# Altium PCB Wacky_Car.PcbDoc (part 2 of 2)
Units mm, origin at the board's own origin, x right, y up, seen from the top; angles counter-clockwise.
Board outline 64 x 85 mm, 4 copper layers (Top Layer, Ground Plane, Power Plane, Bottom Layer), stack 0.844 mm thick; 136 components, 91 nets, 411 pads, 109 vias.
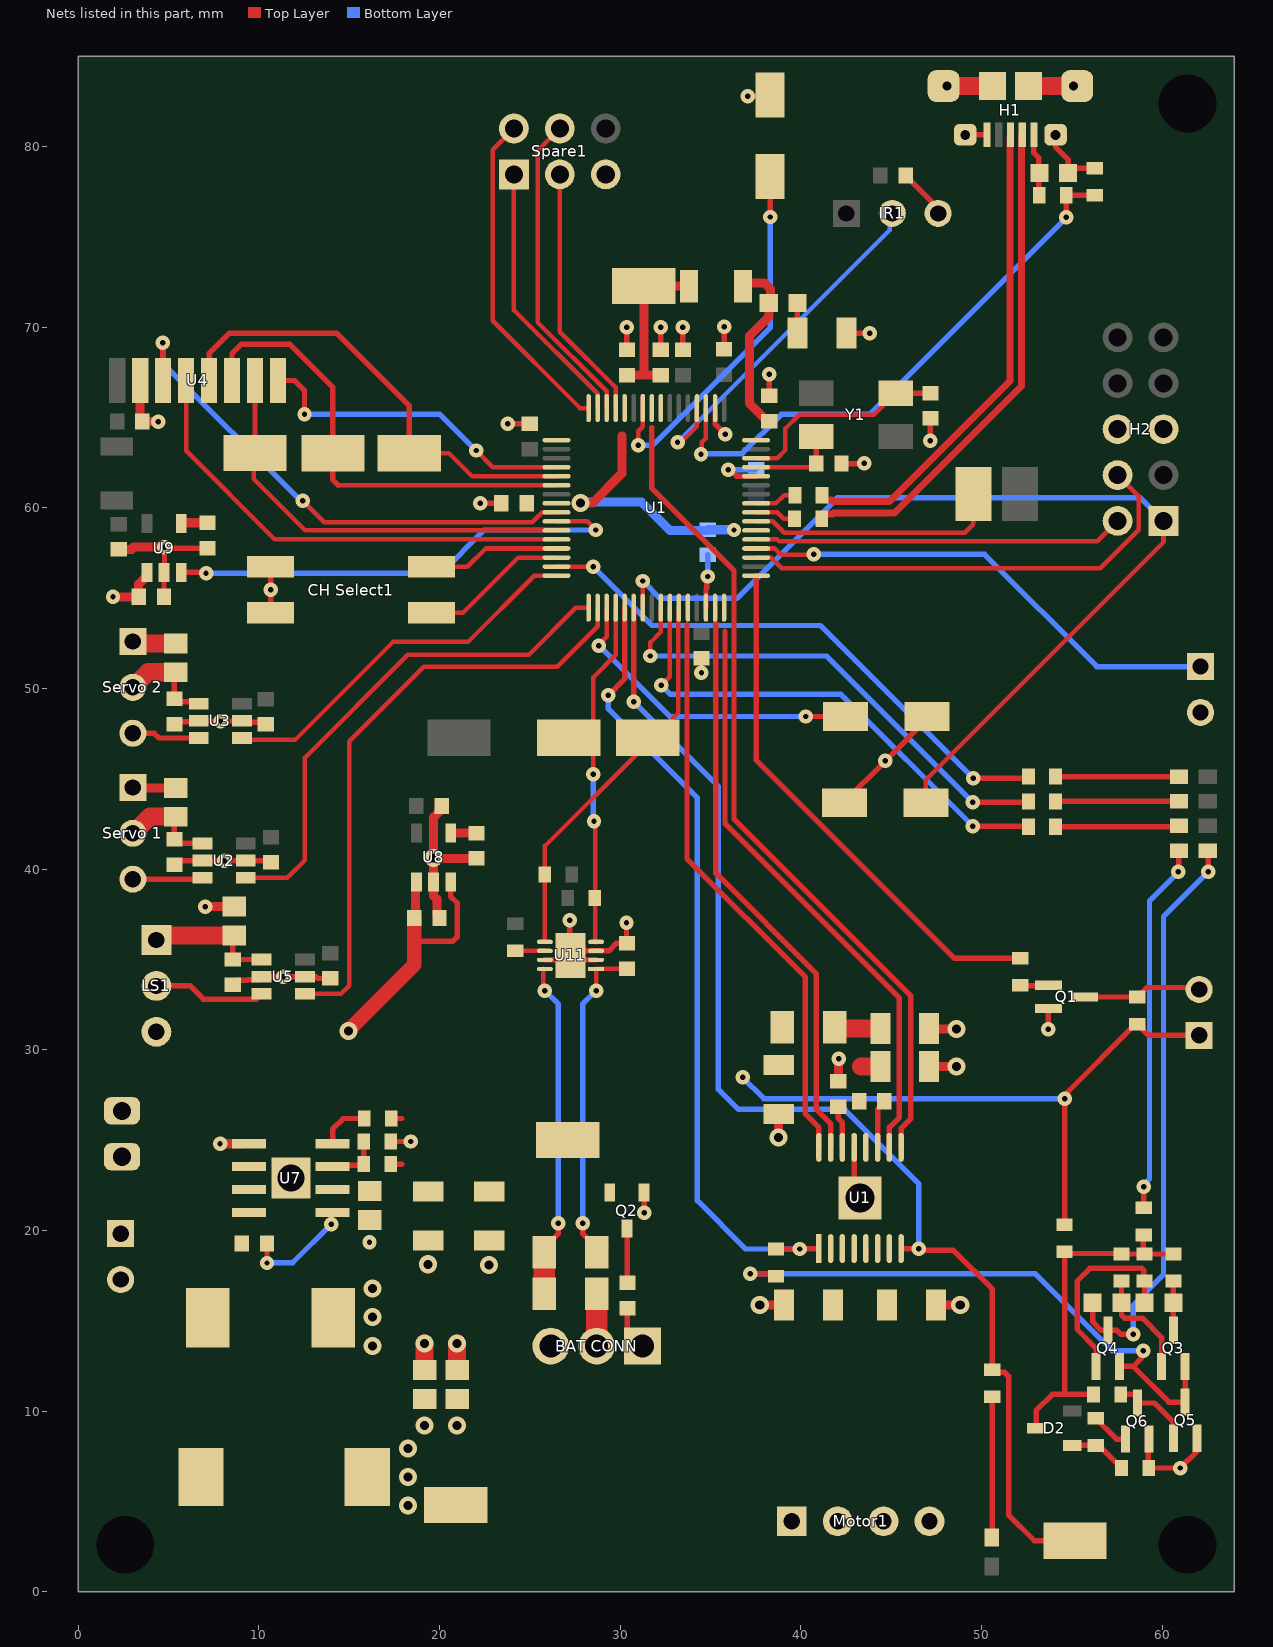
[diagram p4: the nets of this part, all layers, seen from the top]

## Via types
v1: diameter 0.8, hole 0.3, Top Layer to Bottom Layer, 86 vias
v2: diameter 1, hole 0.5, Top Layer to Bottom Layer, 21 vias
v3: diameter 2, hole 1.5, Top Layer to Bottom Layer, 1 vias
v4: diameter 2.2, hole 1.6, Top Layer to Bottom Layer, 1 vias

## Nets (pads, with @x,y where several pads share a name; then routed paths per layer and width w, separated by ;. In a path a pad name is that pad's centre, name@x,y a point inside that pad or via, vN(x,y) a via of type N, cw(c..) or ccw(c..) an arc to the next point about the centre after c; other vN are vias at no path point) (continued)
5V: 5V.1@20.9,4.8 5V.2 "Servo 1.2" "Servo 2.2" C5.2@5.4,50.9 C6.2@5.325,49.425 C8.2@5.4,42.9 C9.2@8.55,35 C13.2@8.625,36.325 C14.2@5.325,41.65 C37.2 C42.2 C43.2 C44.2 L5.2 LS1.1 U2.1 U3.1 U5.1 U7.5 U8.1 U8.3 U9.1 | length 38.9
  Top Layer w0.3: C6.2@5.325,49.425 5.325,50.825 C5.2@5.4,50.9 ; C6.2@5.375,49.41 5.51,49.275 6.56,49.275 U3.1@6.675,49.16 ; C8.2@5.4,42.9 5.325,42.825 C14.2@5.325,41.65 C14.2@5.4,41.575 ; C14.2@5.425,41.6 C14.2@5.4,41.575 ; U2.1@6.7,41.6 U2.1@6.875,41.425 5.55,41.425 C14.2@5.4,41.575 ; 8.55,35.75 C9.2@8.55,35 U5.1@10.15,35 ; 18.6,36 20.725,36 20.975,36.25 20.975,38.141 20.621,38.496 U8.3@20.621,39.3
  Top Layer w0.5: v1(1.925,55.075) C44.2@3.35,55.075 3.35,55.775 3.725,56.15 3.75,56.15 3.8,56.2 U9.1@3.8,56.425 ; LS1.1@4.325,36.075 LS1.1@4.5,35.9 ; v1(7.85,24.8) U7.5@9,24.8 ; U7.5@9,24.801 9.004,24.805 U7.5@9.464,24.805 ; 18.6,34.7 18.725,34.825 ; C37.2@18.6,37.3 18.671,37.371 18.671,39.25 U8.1@18.721,39.3
  Top Layer w0.8: v2(14.95,31.05) 18.6,34.7 18.6,36 C37.2@18.6,37.3
  Top Layer w1: 3.025,41.985 3.965,42.925 5.375,42.925 C8.2@5.4,42.9 ; 3.025,50.065 3.86,50.9 C5.2@5.4,50.9 ; LS1.1@4.325,36.075 4.575,36.325 C13.2@8.625,36.325
  other v2: 18.25,4.775 18.25,6.35 18.25,7.925 19.175,9.2 20.975,9.2
AIN1: U1.16@41,24.6 U1.44 | length 31.9
  Top Layer w0.3: 33.7,53.519 33.7,52.282 33.7,40.568 40.25,34.018 40.25,26.45 41,25.7 U1.16@41,24.6
AIN2: U1.15@41.65,24.6 U1.47 | length 31.7
  Top Layer w0.3: 35.3,53.62 35.3,52.53 35.3,39.775 40.85,34.225 40.85,26.718 41.65,25.918 U1.15@41.65,24.6
AOUT1: Motor1.1 U1.2@41.65,19
AOUT2: Motor1.2 U1.4@42.95,19
BIN1: U1.9 | length 46
  Top Layer w0.3: 31.75,64.425 31.75,61.075 36.3,56.525 36.3,42.775 46.075,33 46.075,26.175 45.55,25.65 U1.9@45.55,24.6
BIN2: U1.10@44.9,24.6 U1.48 | length 32.8
  Top Layer w0.3: 35.8,53.175 35.8,42.525 45.45,32.875 45.45,26.257 44.9,25.707 U1.10@44.9,24.6
BOUT1: Motor1.4 U1.7@44.9,19
BOUT2: Motor1.3 U1.5@43.6,19 | length 0.6
  Top Layer w0.3: U1.5@43.6,18.4 U1.5@43.6,19
BST: C31.2 U7.1 | length 6.2
  Top Layer w0.3: v1(10.45,18.2) C31.2@10.45,19.275 ; v1(14,20.341) 14,20.909 U7.1@14.086,20.995
  Bottom Layer w0.3: v1(10.45,18.2) 10.466,18.216 11.875,18.216 v1(14,20.341)
BUMPER_SIGNAL: Bumper1.1 U1.52 | length 27.3
  Top Layer w0.25: U1.52@37.525,57.75 38.56,57.75 38.91,57.4 40.7,57.4 v1(40.725,57.425)
  Bottom Layer w0.3: v1(40.725,57.425) 50.175,57.425 56.385,51.215 Bumper1.1@62.125,51.215
CH1: "CH Select1.4" U1.29 | length 7.3
  Top Layer w0.25: 19.55,56.74 21.54,56.74 22.55,57.75 U1.29@26.475,57.75
CH2: "CH Select1.3" U1.30 | length 8.2
  Top Layer w0.25: 19.55,54.2 21.3,54.2 24.35,57.25 U1.30@26.475,57.25
CS: U1.28 U4.4 | length 26.4
  Top Layer w0.25: U4.4@5.971,67.05 5.971,63.154 10.875,58.25 U1.28@26.475,58.25
D_N: H1.2 R2.1@41.15,59.4 | length 28
  Top Layer w0.381: R2.1@41.15,59.4 41.15,59.5 41.31,59.659 41.743,59.659 41.797,59.714 45.18,59.714 52.218,66.752 52.218,80.567 H1.2@52.225,80.575
D_P: H1.3 R1.1@41.175,60.7 | length 26.9
  Top Layer w0.381: R1.1@41.175,60.7 41.175,60.6 41.335,60.44 41.718,60.44 41.809,60.349 44.917,60.349 51.583,67.015 51.583,80.567 H1.3@51.575,80.575
ERASE: ERASE.1 U1.55 | length 14.2
  Top Layer w0.25: U1.55@37.525,59.25 38.45,59.25 39.075,58.625 49.075,58.625 49.55,59.1 ERASE.1@49.55,60.775
GG_V: C16.2 C51.1 Q2.3 SHUNT.2 U11.1 | length 21.4
  Top Layer w0.25: v1@28.666,33.284 U11.1@28.666,34.475 30.35,34.475 C51.1@30.375,34.5
  Top Layer w0.3: v1(27.925,20.4) 27.925,19.825 28.7,19.05 SHUNT.2@28.7,18.8 ; v1@28.666,33.284 v1(28.675,33.275) ; Q2.3@30.375,20.1 30.4,20.075 C16.2@30.4,17.225
  Top Layer w0.6: SHUNT.2@28.7,18.8 SHUNT.2@29.05,19.15
  Bottom Layer w0.3: v1(27.925,20.4) 27.925,32.525 v1(28.675,33.275)
GND: 5V.1@2.35,19.825 "BAT CONN.1" "BAT CONN.3" "CH Select1.1" "CH Select1.2" "Servo 1.1" "Servo 2.1" Bumper1.2 C1.1@33.475,68.75 C1.2@47.1,31.175 C2.2 C3.1@25,64.65 C4.1@42.075,28.25 C4.2@30.375,68.75 C5.1 C6.1@5.325,48.025 C6.2@23.425,60.25 C7.1 C8.1@5.4,44.5 C8.2@34.85,57.4 C9.1 C10.1 C11.1 C12.1@45.8,78.4 C13.1 C14.1 C15.1 C16.1 C33.1 C34.1 C35.1 C36.1 C37.1 C38.1 C39.1 C42.1 C43.1 C44.1 C45.1 C46.1 C51.2 D1.1 GND.1 GND.2 H1.5 H1.6 H2.5 H2.6 IR1.3 LS1.3 Q1.2 Q2.1 Q5.2 Q6.2 R3.1@42.525,69.675 R4.1@47.475,15.875 R5.1 R16.1 R27.1 RMT_CTL.1 RST.1 SLEEP.1 Spare1.5 U1.2@35.25,65.525 U1.13@42.95,24.6 U1.17 U1.46 U1.60 U2.2 U2.5 U3.2 U3.5 U4.2 U5.2 U5.5 U7.6 U7.7 U7.EPAD U8.2 U9.2 U11.2 U11.3 U11.7 U11.9 | length 120.9
  Top Layer w0.3: C11.1@3.429,64.896 C11.1@3.55,64.775 ; C44.1@4.75,55.075 4.75,55.65 U9.2@4.75,56.425 4.775,56.45 v1(4.775,57.825) 4.825,57.775 C46.1@7.154,57.775 ; C14.1@5.325,40.25 5.55,40.475 v1(8.075,40.475) U2.5@9.275,40.475 10.575,40.475 C10.1@10.675,40.375 ; C6.1@5.375,48.01 5.515,48.15 6.615,48.15 U3.2@6.675,48.21 6.685,48.2 v1(7.875,48.2) 9.065,48.2 U3.5@9.075,48.21 9.16,48.125 10.26,48.125 C7.1@10.375,48.01 ; C5.1@5.524,52.889 C5.1@5.539,52.875 ; C9.1@8.55,33.6 8.8,33.85 9.35,33.85 9.375,33.875 9.975,33.875 U5.2@10.15,34.05 v1(11.35,34.05) 13.15,34.05 13.25,33.95 C15.1@13.95,33.95 ; 10.65,54.2 v1(10.65,55.475) 10.65,56.74 ; R16.1@17.3,24.925 v1(18.4,24.925) ; v2(19.671,40.625) v2@19.696,40.6 ; C38.1@20.121,43.325 C38.1@20.121,43.5 ; C39.1@22.021,40.625 C39.1@22.046,40.6 ; v1(22.25,60.25) C6.2@23.425,60.25 ; v1(23.775,64.65) C3.1@25,64.65 ; U11.7@25.834,34.975 U11.2@28.666,34.975 ; v1(27.2,37.175) 27.2,35.275 U11.9@27.25,35.225 ; U11.9@27.965,35.45 27.965,35.475 U11.3@28.666,35.475 29.375,35.475 29.8,35.9 C51.2@30.375,35.9 30.35,35.925 v1(30.35,37.025) ; C4.2@30.375,68.75 v1(30.375,70) ; C16.1@30.4,15.3 30.4,14.44 31.24,13.6 ; v1(31.325,20.975) Q2.1@31.325,22.1 ; C2.2@32.25,68.75 v1(32.25,70) ; C1.1@33.475,68.75 v1(33.475,70) ; v1(34.5,50.875) C5.1@34.5,51.675 ; U1.46@34.75,54.475 34.75,55.51 34.79,55.55 34.79,56.14 v1(34.85,56.2) ; U1.2@35.25,65.525 35.25,64.65 v1(35.825,64.075) ; C10.1@35.75,68.775 v1(35.75,70.025) ; v1(35.975,62.1) 36.11,62.1 36.46,61.75 U1.60@37.525,61.75 ; v1(37.05,82.775) 38.225,82.775 RMT_CTL.1@38.3,82.85 ; C13.1@38.25,66.2 v1(38.25,67.4) ; C11.1@42.25,62.45 43.475,62.45 v1(43.5,62.475) ; RST.1@42.425,43.675 42.425,43.75 v1(44.675,46) 46.975,48.3 SLEEP.1@46.975,48.45 ; R3.1@42.525,69.675 v1(43.825,69.675) ; U1.13@42.95,24.6 42.95,22.125 v4(43.275,21.8) ; C12.1@45.8,78.4 47.6,76.6 IR1.3@47.6,76.3 ; v1(47.175,63.725) C9.1@47.175,64.95 ; H1.6@49.1,80.65 H1.5@50.3,80.65 ; v1(53.7,31.15) Q1.2@53.7,32.275 ; H1.6@54.1,80.65 54.1,79.975 54.8,79.275 C14.1@54.8,78.525 55.075,78.8 R5.1@56.275,78.8 ; Q6.2@59.275,8.45 59.225,8.4 59.225,6.875 R27.1@59.25,6.85 v1(61,6.85) 61.925,7.775 Q5.2@61.925,8.5
  Top Layer w0.5: C45.1@2.25,57.7 2.95,57.7 3.075,57.825 v1(4.775,57.825) ; 3.025,44.525 3.05,44.5 C8.1@5.4,44.5 ; C11.1@3.429,64.896 U4.2@3.429,67.05 ; C11.1@3.55,64.775 v1(4.425,64.775) ; v1(7.025,37.925) C13.1@8.625,37.925 ; D1.1@14.125,15.175 D1.1@14.15,15.2 ; C36.1@16.125,20.55 C36.1@16.15,20.575 ; v2@19.696,40.6 C39.1@22.046,40.6 ; C37.1@20,37.3 19.85,37.45 19.85,38.346 19.671,38.525 U8.2@19.671,39.3 v2(19.671,40.625) 19.671,42.875 19.971,43.175 19.971,43.3 19.996,43.325 C38.1@20.121,43.325 ; v2@37.675,15.875 v2(37.725,15.875) R5.1@39.025,15.875 ; v2(38.775,25.15) C35.1@38.775,26.45 ; C4.1@42.075,28.25 42.088,28.262 42.088,29.488 v1(42.1,29.5) ; C2.2@47.1,29.075 v2(48.625,29.075) ; C1.2@47.1,31.175 47.125,31.15 v2(48.625,31.15) ; R4.1@47.475,15.875 v2(48.825,15.875)
  Top Layer w1: 3.025,52.605 3.13,52.5 C5.1@5.4,52.5 ; C43.1@19.174,12.275 v2(19.175,13.75) ; C42.1@20.975,12.275 v2(20.975,13.75) ; H1.6@48.1,83.35 H1.6@50.6,83.35 ; H1.6@52.6,83.35 H1.6@55.1,83.35
  Bottom Layer w0.3: v1(34.85,56.2) C8.2@34.85,57.4 ; v1(35.975,62.1) 37.475,62.1 C7.1@37.525,62.15
  other v1: 16.125,19.35
  other v2: 16.3,13.6 16.3,15.2 16.3,16.8 22.75,18.1 19.352,18.129
  other v3: 11.775,22.9
"IR SIG": IR1.2 U1.4@34.25,65.525 | length 20.1
  Top Layer w0.25: v1(33.175,63.625) 33.28,63.73 33.48,63.73 34.25,64.5 U1.4@34.25,65.525
  Bottom Layer w0.25: v1(33.175,63.625) 44.91,75.36 44.91,76.15 IR1.2@45.06,76.3
LED_STRIP: U1.34 U5.4 | length 33.6
  Top Layer w0.25: U5.4@12.55,33.1 14.55,33.1 15,33.55 15,47.075 19.125,51.2 26.51,51.2 28.75,53.44 U1.34@28.75,54.475
"LOW BAT LED": "LOW BAT.1" C49.2 Q4.3 | length 32.1
  Top Layer w0.3: C49.2@56.15,16 56.15,14.95 56.625,14.475 Q4.3@57,14.475 57.5,14.475 57.725,14.25 v1(58.4,14.25) ; 62.525,41.025 62.55,41 v1(62.55,39.85)
  Bottom Layer w0.3: v1(58.4,14.25) 58.4,15.875 60.075,17.55 60.075,37.375 v1(62.55,39.85)
MISO: MISO.1 U1.27 U4.7 | length 23.4
  Top Layer w0.25: MISO.1@9.725,62.975 9.725,61.6 12.575,58.75 U1.27@26.475,58.75
  Top Layer w0.3: MISO.1@9.725,62.975 MISO.1@9.786,63.036 U4.7@9.786,67.05
MOSI: MOSI.1 U1.22 U4.6 | length 25.9
  Top Layer w0.25: 14.4,61.25 U1.22@26.475,61.25
  Top Layer w0.3: U4.6@8.514,67.05 8.514,68.55 9.014,69.05 11.725,69.05 14.1,66.675 MOSI.1@14.1,63.025 14.1,61.55 14.4,61.25
NetBuzzer1_2: Buzzer1.2 Q1.3 R1.1@58.625,32.925 | length 6.6
  Top Layer w0.3: Q1.3@55.7,32.925 R1.1@58.625,32.925 59.152,33.452 61.938,33.452 Buzzer1.2@62.05,33.34
NetC1_1: "F1 2A.2" C1.1@44.4,31.175 C2.1@44.4,29.075 C3.2@43.225,27.15 U1.12@43.6,24.6 | length 3.3
  Top Layer w1: 42.15,31.25 42.225,31.175 43.237,31.175 C1.1@44.4,31.175 ; 43.337,29.075 C2.1@44.4,29.075
NetC3_1: C3.1@44.625,27.15 U1.11@44.25,24.6 | length 2.4
  Top Layer w0.3: U1.11@44.25,24.9 44.25,26.725 44.625,27.1 C3.1@44.625,27.15
NetC4_2: C4.2@42.075,26.85 U1.14@42.3,24.6 | length 2.6
  Top Layer w0.3: C4.2@42.075,27.1 42.075,26.2 42.3,25.975 U1.14@42.3,24.6
NetC12_1: C12.1@39.825,71.35 R3.2@39.825,69.675 | length 1.7
  Top Layer w0.3: R3.2@39.825,69.675 39.8,69.7 39.8,71.325 C12.1@39.825,71.35
NetC39_2: C39.2 U8.4 | length 1.4
  Top Layer w0.5: U8.4@20.621,42 C39.2@22.046,42
NetC46_2: C46.2 U9.4 | length 1.5
  Top Layer w0.5: U9.4@5.7,59.125 5.75,59.175 C46.2@7.154,59.175
NetC48_1: C48.1 Q3.3 R21.1 | length 2.7
  Top Layer w0.3: Q3.3@60.625,14.475 R21.1@60.625,17.2
NetC48_2: C48.2 Q4.1 R22.1 | length 11
  Top Layer w0.3: Q4.1@56.35,12.475 56.35,13.475 55.3,14.525 55.3,17.2 56,17.9 58.875,17.9 58.975,17.8 58.975,17.25 R22.1@59.025,17.2 C48.2@59.025,16
NetC49_1: C49.1 Q3.1 R23.1 | length 6.2
  Top Layer w0.3: R23.1@57.75,17.2 57.75,16.75 57.75,15.326 57.926,15.15 58.9,15.15 59.975,14.075 Q3.1@59.975,12.475
NetD2_1: D2.1 R26.2 R27.2 | length 3.2
  Top Layer w0.3: D2.1@55.025,8.1 R26.2@56.325,8.1 56.5,8.1 R27.2@57.75,6.85
NetD2_3: D2.3 R17.1 R19.2 R21.2 R22.2 R23.2 R25.2 | length 19.6
  Top Layer w0.3: D2.3@53.025,9.05 53.025,10.025 53.925,10.925 54.6,10.925 ; R17.1@54.625,18.825 R17.1@54.625,19 ; R25.2@56.2,10.925 54.6,10.925 ; R19.2@58.975,19.75 58.95,19.725 58.95,18.775 R22.2@59.025,18.7 ; R21.2@60.625,18.7 R22.2@59.025,18.7 ; 54.6,10.925 54.6,18.725 57.725,18.725 R23.2@57.75,18.7 R22.2@59.025,18.7
NetDL1_1: "H Fault.1" R3.1@50.6,10.8 | length 7.8
  Top Layer w0.3: 50.575,3 50.6,3.025 R3.1@50.6,10.8
NetF2_1: "BAT CONN.2" "F2 5A.1" | length 2.9
  Top Layer w1.2: 28.7,13.6 28.7,16.5
"NetLOW BAT_2": "LOW BAT.2" R19.1 | length 20.6
  Top Layer w0.3: R19.1@58.975,21.25 v1(58.975,22.425) ; v1(60.9,39.85) 60.925,39.875 60.925,41.025
  Bottom Layer w0.3: v1(58.975,22.425) 58.975,22.526 59.3,22.851 59.3,38.25 v1(60.9,39.85)
NetLS1_2: LS1.2 U5.3 | length 6.3
  Top Layer w0.3: LS1.2@4.325,33.535 4.34,33.55 6.175,33.55 6.925,32.8 9.85,32.8 U5.3@10.15,33.1
NetQ1_1: Q1.1 R2.2@52.15,33.575 | length 1.5
  Top Layer w0.3: R2.2@52.175,33.55 53.675,33.55 Q1.1@53.7,33.575
NetQ3_2: Q3.2 Q4.2 Q5.3 R24.2 | length 32.5
  Top Layer w0.3: v1(37.2,17.6) 38.5,17.6 R24.2@38.625,17.475 ; Q4.2@57.65,12.475 58.4,12.475 ; v1(58.95,13.35) 58.854,13.254 58.854,12.929 58.4,12.475 ; Q3.2@61.275,12.475 Q5.3@61.275,10.5 60.375,10.5 58.4,12.475
  Bottom Layer w0.3: v1(37.2,17.6) 52.978,17.6 57.228,13.35 v1(58.95,13.35)
NetQ5_1: Q5.1 Q6.3 R25.1 | length 4.7
  Top Layer w0.3: R25.1@57.7,10.925 58.525,10.925 58.625,10.825 Q6.3@58.625,10.45 59.575,10.45 60.625,9.4 Q5.1@60.625,8.5
NetQ6_1: Q6.1 R26.1 | length 2.1
  Top Layer w0.3: R26.1@56.325,9.6 57.475,8.45 Q6.1@57.975,8.45
NetR1_2: R1.2@39.675,60.7 U1.57 | length 2.3
  Top Layer w0.25: U1.57@37.525,60.25 38.625,60.25 39.075,60.7 R1.2@39.675,60.7
NetR2_2: R2.2@39.65,59.4 U1.56 | length 2.3
  Top Layer w0.25: U1.56@37.525,59.75 38.7,59.75 39.05,59.4 R2.2@39.65,59.4
NetR4_2: R4.2@44.775,15.875 U1.6@44.25,19 | length 0
NetR5_2: R5.2@41.775,15.875 U1.3@42.3,19
NetR6_1: R6.1 STAT0.1 | length 6.8
  Top Layer w0.3: R6.1@54.1,42.35 60.875,42.35 STAT0.1@60.925,42.4
NetR7_1: R7.1 STAT1.1 | length 6.8
  Top Layer w0.3: R7.1@54.1,43.75 STAT1.1@60.925,43.75
NetR8_1: R8.1 STAT2.1 | length 6.8
  Top Layer w0.3: R8.1@54.1,45.125 STAT2.1@60.925,45.125
NetR14_1: R14.1 U7.4 | length 2.8
  Top Layer w0.3: U7.4@14.086,24.805 14.086,25.611 14.675,26.2 R14.1@15.825,26.2
NetR15_1: R15.1 R16.2 U7.3 | length 3
  Top Layer w0.3: U7.3@14.086,23.535 14.151,23.6 15.725,23.6 R15.1@15.8,23.675 R16.2@15.8,24.925
NetR32_2: R32.2 U11.6 | length 1.6
  Top Layer w0.25: R32.2@24.19,35.475 U11.6@25.834,35.475
"NetServo 1_3": "Servo 1.3" U2.3 | length 3.9
  Top Layer w0.3: 3.025,39.445 6.795,39.445 U2.3@6.875,39.525
"NetServo 2_3": "Servo 2.3" U3.3 | length 3.8
  Top Layer w0.3: 3.025,47.525 3.03,47.52 4.204,47.52 4.464,47.26 5.875,47.26 U3.3@6.675,47.26
nFAULT: nFAULT1.1 R3.2@50.6,12.3 U1.8@45.55,19 U1.38 | length 68.9
  Top Layer w0.3: v1(30.75,49.275) U1.38@30.75,54.475 ; U1.8@45.55,19 v1(46.525,19) 46.621,18.904 48.446,18.904 50.6,16.75 50.6,12.325 50.781,12.144 51.281,12.144 51.5,11.925 51.5,4.25 52.925,2.825 nFAULT1.1@55.175,2.825
  Bottom Layer w0.3: v1(30.75,49.275) 35.425,44.6 35.425,27.825 36.55,26.7 42.425,26.7 46.525,22.6 v1(46.525,19)
nRF24_CE: U1.25 U4.3 | length 28.9
  Top Layer w0.25: v1(12.425,60.4) 13.625,59.2 25.139,59.2 25.689,59.75 U1.25@26.475,59.75
  Top Layer w0.3: v1(4.675,69.15) 4.675,67.075 U4.3@4.7,67.05
  Bottom Layer w0.3: v1(4.675,69.15) 4.675,68.025 12.3,60.4 v1(12.425,60.4)
nRF24_IRQ: U1.20 U4.8 | length 18.2
  Top Layer w0.25: v1(22.025,63.175) 22.95,62.25 U1.20@26.475,62.25
  Top Layer w0.3: U4.8@11.057,67.05 11.975,67.05 12.525,66.5 v1(12.525,65.175)
  Bottom Layer w0.3: v1(12.525,65.175) 20.025,65.175 v1(22.025,63.175)
nRST: H2.1 RST.2 U1.39 | length 54.6
  Top Layer w0.25: U1.39@31.25,54.475 v1(31.25,55.95) ; RST.2@46.925,43.675 46.925,44.95 60.075,58.1 H2.1@60.075,59.275
  Bottom Layer w0.3: v1(31.25,55.95) 32.207,54.993 36.468,54.993 42.025,60.55 58.8,60.55 H2.1@60.075,59.275
nSLEEP: R24.1 U1.1@41,19 U1.37 | length 44.4
  Top Layer w0.3: v1(29.35,49.625) 30.25,50.525 U1.37@30.25,54.475 ; R24.1@38.625,18.975 v1(39.95,18.975) 39.975,19 U1.1@41,19
  Bottom Layer w0.3: v1(29.35,49.625) 29.35,48.875 34.275,43.95 34.275,21.65 36.95,18.975 v1(39.95,18.975)
PA18: Spare1.3 U1.13@29.75,65.525 | length 14.2
  Top Layer w0.25: Spare1.3@26.66,78.46 26.66,69.755 29.75,66.665 U1.13@29.75,65.525
PA20: Spare1.2 U1.16@28.25,65.525 | length 18.4
  Top Layer w0.25: Spare1.2@24.12,81 22.95,79.83 22.95,70.35 27.775,65.525 U1.16@28.25,65.525
PA22: Spare1.4 U1.14@29.25,65.525 | length 17.6
  Top Layer w0.25: Spare1.4@26.66,81 25.425,79.765 25.425,70.275 29.25,66.45 U1.14@29.25,65.525
PA23: Spare1.1 U1.15@28.75,65.525 | length 14.9
  Top Layer w0.25: Spare1.1@24.12,78.46 24.12,70.941 28.75,66.311 U1.15@28.75,65.525
PIEZO_BUZ: R2.1@52.15,35.075 U1.49 | length 29.4
  Top Layer w0.3: U1.49@37.525,56.25 37.525,46.03 48.48,35.075 R2.1@52.15,35.075
RADIO_REG: U1.26 U9.3 | length 26.4
  Top Layer w0.25: U1.26@26.475,59.25 28.175,59.25 v1(28.65,58.775)
  Top Layer w0.3: U9.3@5.725,56.4 U9.3@5.7,56.425 7.025,56.425 v1(7.075,56.375)
  Bottom Layer w0.3: v1(7.075,56.375) 20.075,56.375 22.475,58.775 v1(28.65,58.775)
RMT_CTL: RMT_CTL.2 U1.10@31.25,65.525 | length 21.2
  Top Layer w0.25: v1(31,63.475) 31,64.24 31.25,64.49 U1.10@31.25,65.525 U1.10@31.25,66.175
  Top Layer w0.3: v1(38.3,76.1) RMT_CTL.2@38.3,78.35
  Bottom Layer w0.3: v1(31,63.475) 31.811,63.475 38.3,69.964 v1(38.3,76.1)
SCL: R30.1 SCL.1 U1.36 U11.4 | length 22.5
  Top Layer w0.25: v1(28.5,45.25) 28.5,50.611 ; SCL.1@28.5,47.25 28.5,50.611 ; U11.4@28.608,36.004 v1@28.608,42.592 ; U1.36@29.75,54.475 29.75,51.861 28.5,50.611
  Top Layer w0.3: v1(28.55,42.65) v1@28.608,42.592 ; R30.1@28.575,38.325 R30.1@28.6,38.3 ; U11.4@28.608,36.004 28.637,35.975 U11.4@28.666,35.975
  Bottom Layer w0.3: v1(28.5,45.25) 28.5,42.7 v1(28.55,42.65)
SDA: R29.1 SDA.1 U1.43 U11.5 | length 21.6
  Top Layer w0.25: U11.5@25.834,35.975 25.834,39.7 25.834,41.284 31.325,46.775 33.225,48.675 33.225,53.8 33.25,53.825 U1.43@33.25,54.475
SERVO_SIGNAL_1: U1.33 U2.4 | length 28.5
  Top Layer w0.25: U2.4@9.275,39.525 11.575,39.525 12.55,40.5 12.55,46.175 18.25,51.875 24.95,51.875 27.55,54.475 U1.33@28.25,54.475
SERVO_SIGNAL_2: U1.32 U3.4 | length 21.2
  Top Layer w0.25: U3.4@9.16,47.175 12.025,47.175 17.425,52.575 21.575,52.575 25.25,56.25 U1.32@26.475,56.25
  Top Layer w0.3: U3.4@9.075,47.26 U3.4@9.16,47.175
SLEEP: SLEEP.2 U1.35 | length 17.6
  Top Layer w0.25: v1@28.835,52.385 28.835,52.455 29.25,52.869 U1.35@29.25,54.475
  Top Layer w0.3: v1(28.825,52.375) v1@28.835,52.385 ; v1(40.275,48.45) SLEEP.2@42.475,48.45
  Bottom Layer w0.3: v1(28.825,52.375) 32.75,48.45 v1(40.275,48.45)
SPCK: SCK.1 U1.21 U4.5 | length 26
  Top Layer w0.25: SCK.1@18.325,63.025 20.525,63.025 21.8,61.75 U1.21@26.475,61.75
  Top Layer w0.3: U4.5@7.243,67.05 7.243,68.55 8.368,69.675 14.3,69.675 18.325,65.65 SCK.1@18.325,63.025
STAT0: R6.2 U1.42 | length 28.1
  Top Layer w0.25: v1(32.275,50.175) 32.75,50.65 U1.42@32.75,54.475
  Top Layer w0.3: v1(49.525,42.375) 52.575,42.375 R6.2@52.6,42.35
  Bottom Layer w0.3: v1(32.275,50.175) 32.775,49.675 42.225,49.675 v1(49.525,42.375)
STAT1: R7.2 U1.41 | length 27.2
  Top Layer w0.25: v1(31.675,51.8) 31.675,52.55 32.25,53.125 U1.41@32.25,54.475
  Top Layer w0.3: v1(49.525,43.7) 52.55,43.7 R7.2@52.6,43.75
  Bottom Layer w0.3: v1(31.675,51.8) 41.425,51.8 v1(49.525,43.7)
STAT2: R8.2 U1.31 | length 31
  Top Layer w0.25: U1.31@26.475,56.75 v1(28.5,56.75)
  Top Layer w0.3: v1(49.55,45.025) 52.5,45.025 R8.2@52.6,45.125
  Bottom Layer w0.3: v1(28.5,56.75) 31.763,53.487 41.088,53.487 v1(49.55,45.025)
SW: C31.1 D1.2 L5.1 U7.8
SWCLK: H2.2 U1.53 | length 20.5
  Top Layer w0.25: U1.53@37.525,58.25 38.697,58.25 38.797,58.15 56.41,58.15 H2.2@57.535,59.275
SWDIO: H2.4 U1.51 | length 25.8
  Top Layer w0.25: U1.51@37.525,57.25 38.35,57.25 38.95,56.65 56.572,56.65 58.71,58.788 58.71,60.64 H2.4@57.535,61.815
USB_DETECT: R4.1@54.7,77.3 R5.2@56.275,77.3 U1.3@34.75,65.525 | length 31.1
  Top Layer w0.25: v1(34.475,62.975) 34.518,63.018 34.518,63.625 34.75,63.857 U1.3@34.75,65.525
  Top Layer w0.3: v1(54.7,76.075) R4.1@54.7,77.3 R5.2@56.275,77.3
  Bottom Layer w0.3: v1(34.475,62.975) 34.5,63 36.75,63 38.925,65.175 43.8,65.175 v1(54.7,76.075)
VBAT: "F2 5A.2" SHUNT.1 U11.8 | length 18.6
  Top Layer w0.25: v1@25.734,33.284 U11.8@25.734,34.475
  Top Layer w0.3: v1@25.725,33.275 v1@25.734,33.284 ; SHUNT.1@25.8,18.8 25.8,19.05 26.575,19.825 v1(26.575,20.4)
  Top Layer w1.2: 25.8,16.5 SHUNT.1@25.8,18.8
  Bottom Layer w0.3: v1(25.825,33.275) 26.575,32.525 v1(26.575,20.4)
VBAT-SAFE: "F1 2A.1" Buzzer1.1 C33.2 C34.2 C35.2 C36.2 Q2.2 R1.2@58.625,31.425 R14.2 R15.2 R17.2 U7.2 VBAT-SAFE.1 | length 36
  Top Layer w0.3: R15.2@17.3,23.675 17.9,23.675 ; R14.2@17.325,26.2 17.925,26.2 ; R17.2@54.6,20.325 v1(54.6,27.3) 54.696,27.396 54.696,27.596 58.525,31.425 R1.2@58.625,31.425 ; R1.2@58.725,31.425 58.925,31.225 58.925,31.125 59.25,30.8 Buzzer1.1@62.05,30.8
  Bottom Layer w0.3: v1(36.775,28.475) 37.95,27.3 v1(54.6,27.3)
VBUS: C14.2@53.2,78.525 H1.1 R4.2@53.2,77.3 | length 3.5
  Top Layer w0.3: H1.1@52.9,80.65 52.9,79.65 53.175,79.375 R4.2@53.175,77.325
  Top Layer w0.381: R4.2@53.175,77.325 R4.2@53.2,77.3
VCORE: C2.1@32.25,67.35 C4.1@30.375,67.35 C6.1@24.825,60.25 C8.1@34.85,58.8 L2.2 U1.8@32.25,65.525 U1.12@30.25,65.525 U1.24 U1.54 VCORE.1 | length 23.4
  Top Layer w0.3: C4.1@30.25,67.225 C4.1@30.375,67.35
  Top Layer w0.5: v2@27.896,60.358 v2(27.8,60.263) 28.45,60.263 30.1,61.913 30.1,63.975 ; C4.1@30.375,67.35 31.312,67.35 ; C2.1@32.25,67.35 31.312,67.35 ; L2.2@33.8,72.275 32.625,72.275 31.875,71.525 31.312,71.525 31.312,67.35
  Bottom Layer w0.5: v2(27.8,60.263) 27.862,60.325 31.175,60.325 32.75,58.75 34.85,58.75 34.887,58.787 36.288,58.787 v1(36.3,58.775)
VPLL: C12.2@38.225,71.35 C13.2@38.25,64.8 L2.1 U1.64 | length 9.9
  Top Layer w0.5: L2.1@36.8,72.275 36.975,72.45 37.975,72.45 38.325,72.1 38.325,71.45 C12.2@38.225,71.35 38.25,71.325 38.25,70.6 37.15,69.5 37.15,65.8 C13.2@38.125,64.825
XIN1: C9.2@47.175,66.35 U1.62 Y1.3 | length 11.8
  Top Layer w0.25: U1.62@37.525,62.75 38.7,62.75 39.15,63.2 39.15,64.395 39.905,65.15 44.05,65.15 Y1.3@45.25,66.35
  Top Layer w0.3: Y1.3@45.25,66.35 C9.2@47.175,66.35
XIN2: C11.2@40.85,62.45 U1.61 Y1.1 | length 4.9
  Top Layer w0.25: U1.61@37.525,62.25 C11.2@40.65,62.25
  Top Layer w0.3: C11.2@40.65,62.25 C11.2@40.85,62.45 Y1.1@40.85,63.95
pads on no net: D2.2 H1.4 H2.3 H2.9 H2.10 MT1.1 MT2.1 MT3.1 U1.5@33.75,65.525 U1.6@33.25,65.525 U1.11@30.75,65.525 U1.19 U1.23 U1.40 U1.50 U1.59 U1.63 Y1.2 Y1.4

## Polygon pours and split planes (outlines as drawn)
GND on Ground Plane (split plane): 63.49,0.51 0.51,0.51 0.51,70.5 18,70.5 22,74.5 22,84.49 63.49,84.49
3V3 on Power Plane (split plane): 63.49,0.51 0.51,0.51 0.51,3.298 22.7,3.298 22.778,3.306 22.854,3.329 22.923,3.366 22.984,3.416 23.034,3.477 23.071,3.546 23.094,3.622 23.102,3.7 23.102,11.3 23.094,11.378 23.071,11.454 23.034,11.523 22.984,11.584 22.923,11.634 22.854,11.671 22.778,11.694 22.7,11.702 20.377,11.702 20.377,28.35 20.369,28.428 20.352,28.486 20.346,28.504 20.309,28.573 20.259,28.634 5.564,43.329 5.564,56.338 5.557,56.416 5.534,56.491 5.497,56.561 5.447,56.622 4.584,57.484 4.523,57.534 4.454,57.571 4.378,57.594 4.3,57.602 0.51,57.602 0.51,70.5 18,70.5 22,74.5 22,84.49 63.49,84.49
5V on Power Plane (split plane): 4.761,56.171 4.761,43.163 4.768,43.084 4.791,43.009 4.828,42.939 4.878,42.878 19.573,28.184 19.573,11.3 19.581,11.222 19.604,11.146 19.641,11.077 19.691,11.016 19.752,10.966 19.821,10.929 19.897,10.906 19.975,10.898 22.298,10.898 22.298,4.102 0.652,4.102 0.652,56.798 4.134,56.798

## Other copper
Top Layer:
  region net NetC1_1: 43.75,24.6 43.75,31.675 42.75,31.675 42.75,25.95 43.45,25.25 43.45,24.6
  region net 3V3: 34.375,53.725 34.625,53.475 34.95,53.475 34.95,52.675 34.125,52.675 34.125,54.05 34.375,54.05 34.125,54.05 34.375,54.05
  region net GND: 8.5,24.125 8.5,21.75 10.625,21.75 10.625,20.275 11.125,19.775 11.125,11.725 27.175,11.725 27.175,14.75 23.6,14.75 23.6,20 16.8,20 16.8,21.125 15.5,21.125 15.5,19.725 13.725,19.725 12.85,20.6 12.85,24.125
  region net BOUT2: 43.45,18.7 43.45,18.35 43.375,18.25 43.375,17.925 43.875,17.925 43.875,18.25 43.75,18.35 43.75,18.7
  region net AOUT2: 42.8,18.55 42.8,18.35 42.675,18.25 42.675,18.075 43.175,18.075 43.175,18.25 43.1,18.35 43.1,18.55
  region net 3V3: 37.05,60.875 37.05,60.625 36.675,60.625 36.55,60.5 36.25,60.5 36.25,61 36.55,61 36.675,60.875
  region net VCORE: 37.175,58.875 37.175,58.625 36.8,58.625 36.525,58.45 36.3,58.45 36.3,59.1 36.525,59.1 36.8,58.875
  region net VCORE: 27,60.375 27,60.125 27.25,60.125 27.375,60 27.8,60 27.8,60.525 27.4,60.525 27.25,60.375
  region net GND: 25.45,64.25 25.8,63.9 25.8,63.625 26.875,63.625 25.45,65.05 25.225,65.05 25.225,64.25 25.225,65.05 25.225,64.25
  region net 3V3: 25.45,62.85 25.725,63.125 26.475,63.125 26.475,63.375 25.725,63.375 25.45,63.65 25,63.65 25,62.85
  region net GG_V: 30.675,20.6 30.675,19.6 30.675,17.9 28.05,17.9 28.05,19.7 29.175,19.7 30.075,20.6
  region net VBAT-SAFE: 17.875,26.65 17.875,25.75 19.275,25.75 19.275,24.175 17.875,24.175 17.875,22.725 15.501,22.725 15.5,22.726 15.5,21.6 29.725,21.6 29.725,23.175 32.575,23.175 38,28.6 39.625,28.6 39.625,32.15 37.051,32.15 31.551,26.65
  region net VBAT-SAFE: 14.086,22.5 14.628,22.5 15.5,22.725 15.825,22.725 15.875,22.725 15.875,21.6 15.5,21.6 14.677,22.025 14.086,22.025
  region net SW: 9.85,21.25 4.4,21.25 4.4,5.875 5.7,4.575 9.85,4.575
  region net VCORE: 30.125,64.75 29.85,64.475 29.85,63.975 30.35,63.975 30.375,64 30.375,65.25 30.125,65.25 30.375,65.25 30.125,65.25
  region net VPLL: 38.7,64.175 38.275,63.625 37.8,63.625 37.8,65.2 38.7,65.2
  region net VCORE: 25.625,60.125 25.25,59.8 24.425,59.8 24.425,60.7 25.225,60.7 25.625,60.375 26.475,60.375 26.475,60.125
  region net VCORE: 30.125,66.775 30.125,67.75 30.875,67.75 30.875,66.95 30.375,66.3 30.375,65.85 30.125,65.85 30.375,65.85 30.125,65.85
  region net 3V3: 32.625,66.625 33.025,66.875 33.025,67.75 33.925,67.75 33.925,66.95 32.875,66.4 32.875,65.85 32.625,65.85 32.875,65.85 32.625,65.85
  region net 3V3: 35.625,66.3 35.3,66.975 35.3,67.775 36.2,67.775 36.2,66.975 35.875,66.3 35.875,65.525 35.625,65.525
  region net VCORE: 32.125,65.85 32.125,66.3 31.8,66.95 31.8,67.75 32.375,67.75 32.375,66.625 32.375,65.85
  region net BIN1: 31.875,64.75 31.9,64.675 31.9,64.425 31.6,64.425 31.6,64.675 31.625,64.75 31.625,65.525 31.875,65.525
  region net BIN2: 35.625,53.775 35.65,53.675 35.65,53.175 35.95,53.175 35.95,53.2 35.95,53.65 35.875,53.875 35.875,54.475 35.625,54.475
  region net AIN2: 35.125,53.75 35.15,53.65 35.15,53.275 35.45,53.275 35.45,53.65 35.375,53.875 35.375,54.475 35.125,54.475
  region net AIN1: 33.625,54.475 33.625,53.875 33.55,53.65 33.55,53.325 33.85,53.325 33.85,53.65 33.875,53.75 33.875,54.475
  region net BOUT1: 48,3.075 46.2,3.075 46.2,12.775 45.625,13.35 45.625,16.9 44.75,17.775 44.75,18.625 45.05,18.625 45.05,18.325 46.625,16.75 46.625,14.55 48,13.175
  region net AOUT2: 42.675,18.075 42.675,14.8 41.225,13.35 41.225,3.075 42.875,3.075 42.875,13.3 43.175,13.6 43.175,18.075
  region net BOUT2: 43.375,17.925 43.875,17.925 43.875,14.8 45.325,13.35 45.325,3.075 43.675,3.075 43.675,13.3 43.375,13.6
  region net AOUT1: 40.325,3.1 38.675,3.1 38.675,4.75 38.675,13.05 40,14.375 40,16.75 41.5,18.25 41.5,19 41.8,19 41.8,17.8 40.9,16.9 40.9,13.35 40.325,12.775
  region net NetR5_2: 42.15,19 42.15,17.8 41.225,16.875 41.225,15.025 42.325,15.025 42.325,16.85 42.45,16.975 42.45,19
  region net NetR4_2: 44.4,17.8 45.325,16.875 45.325,15.025 44.225,15.025 44.225,16.863 44.1,16.988 44.1,19 44.4,19
  region net 5V: 14.525,11.3 14.525,3.7 22.75,3.7 22.75,3.95 22.75,11.325 14.525,11.325
  region net 5V: 14.625,11.2 14.525,11.3 14.563,11.262 14.562,11.262 14.5,11.325 14.562,11.262
Bottom Layer:
  region: 1013 vertices and 0 holes, not listed, extent 53.174,5.699 53.897,7.406
  region: 253 vertices and 0 holes, not listed, extent 53.985,7.062 54.457,7.402
  region: 579 vertices and 0 holes, not listed, extent 54.532,6.122 55.384,6.969
  region: 1140 vertices and 0 holes, not listed, extent 55.552,5.686 56.575,6.921
  region: 253 vertices and 0 holes, not listed, extent 57.665,7.062 58.137,7.402
  region: 1012 vertices and 0 holes, not listed, extent 58.225,5.699 58.948,7.406
  region: 586 vertices and 0 holes, not listed, extent 56.743,6.122 57.594,6.969
  region: 3549 vertices and 3 holes, not listed, extent 53.483,7.843 58.807,12.475
  text "Wacky Car V|  / Kei, Okoko, Liam" at 37.387,0.975 h6
Ground Plane (plane layer: these items are gaps in the copper):
  pour cut-out: 22,84.5 0.5,84.5 0.5,70.5 18,70.5 22,74.5
Power Plane (plane layer: these items are gaps in the copper):
  pour cut-out: 22,84.5 0.5,84.5 0.5,70.5 18,70.5 22,74.5
  lines w0.8: 0.25,3.7 0.25,57.2 4.3,57.2 5.162,56.338 5.162,43.163 19.975,28.35 19.975,11.3 22.7,11.3 22.7,3.7 0.25,3.7

## Silkscreen, mask and mechanical layers (free items; w line width, h text height)
Top Overlay:
  drawing of 19 lines, arcs and shapes, not listed
  text "3V3" at 41.35,73.95 h0.8
  text "IR" at 44.45,73.85 h0.8
  text "GND" at 46.75,73.85 h0.8
Bottom Overlay:
  region: 3983 vertices and 349 holes, not listed, extent 1.276,11.581 62.607,74.256
Bottom Solder:
  drawing of 8 lines, arcs and shapes, not listed
  text "Wacky Car V|  / Kei, Okoko, Liam" at 37.387,0.975 h6
Board Outline:
  the board outline again, w0.254

## Dimensions
0,86 to 64,86 on Mechanical 1
65,85 to 65,0 on Mechanical 1

## Text inside footprints (layer, text, board x,y; h text height)
"CH Select1": Top Overlay "2" at 10.1,52.84 h0.8 r270; Top Overlay "1" at 10.15,58.39 h0.8 r270; Top Overlay "ON" at 19.025,57.7 h0.8
H1: Mechanical 1 "PCB Edge" at 53.75,85.62 h0.8 r180
H2: Top Overlay "9" at 60.825,70.635 h0.8 r90; Top Overlay "10" at 58.285,70.635 h0.8 r90; Top Overlay "1" at 60.825,57.575 h0.8 r90; Top Overlay "2" at 58.285,57.075 h0.8 r90
Motor1: Top Overlay "1" at 40.135,-0.545 h0.8 r90
Spare1: Top Overlay "GND" at 30.9,78.1 h0.8; Top Overlay "3V3" at 30.9,80.6 h0.8; Top Overlay "PA23" at 19.9,78 h0.8; Top Overlay "PA20" at 19.9,80.5 h0.8
U4: Top Overlay "NO GND/ / POWER / PLANES / UNDER / OR NEARBY" at 2.257,72.325 h0.8
U7: Mechanical 13 "*" at 13.705,21.744 h0.8 r180